# Altium PCB MSP430F55 Microcontroller.PcbDoc (part 1 of 2) (continued)
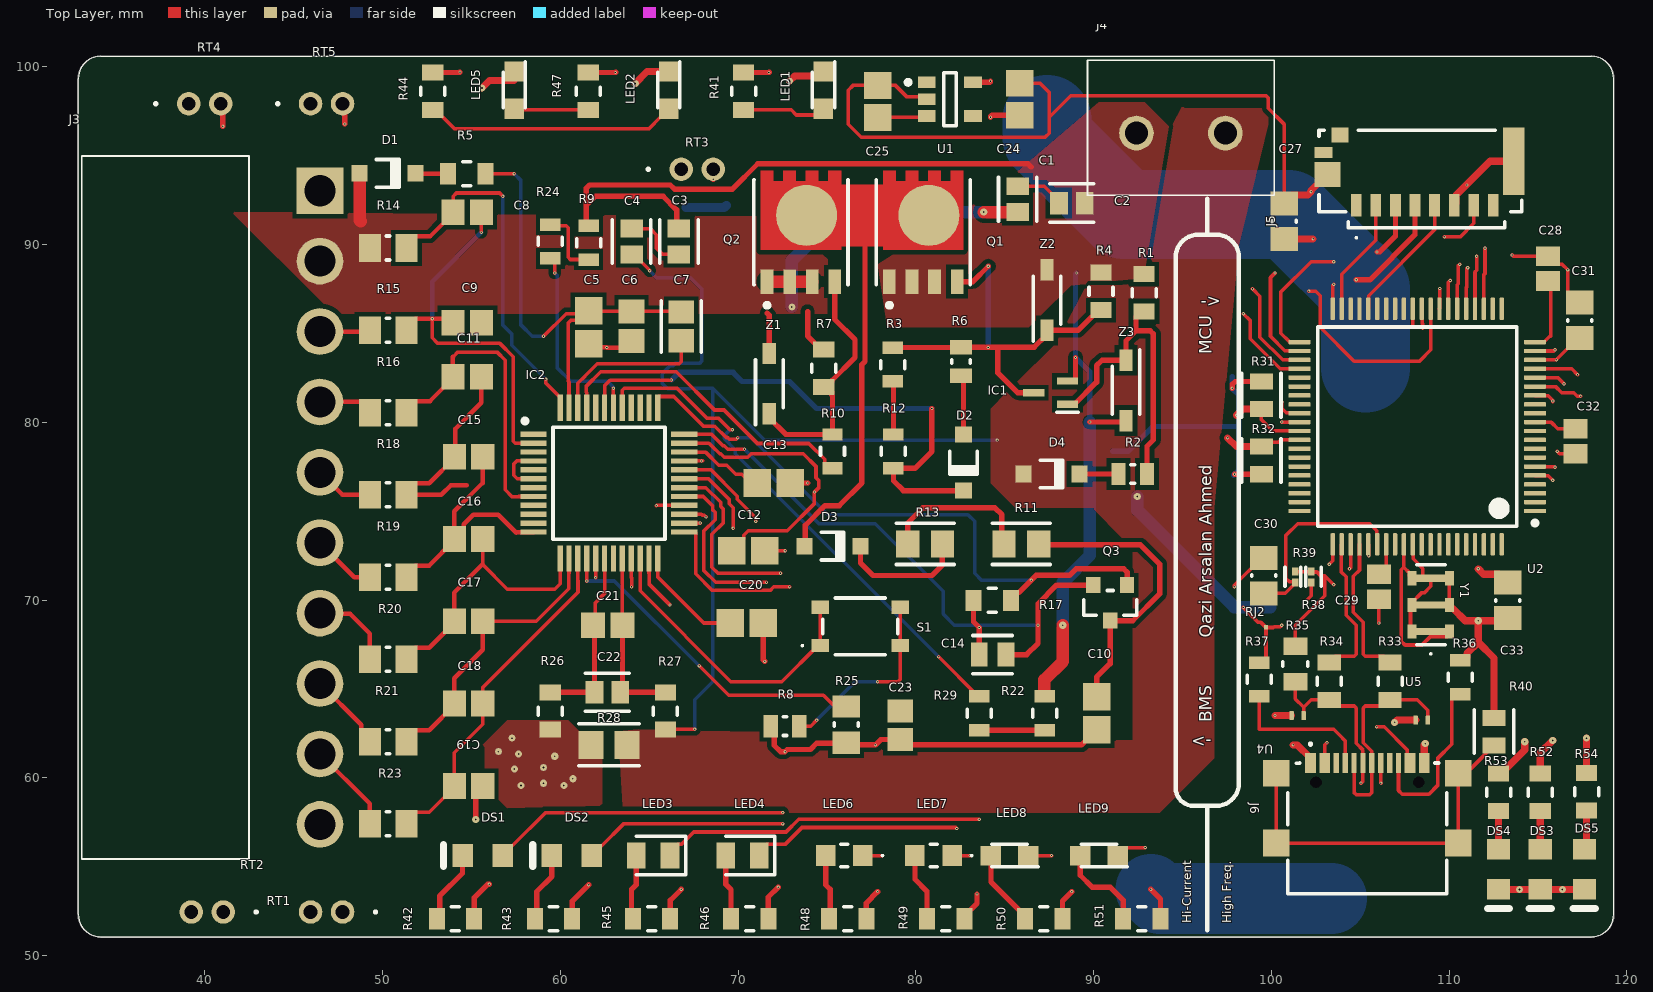
[diagram p0: Top Layer view]
## Components (designator, comment, footprint, x,y, rotation, side; value= is the part's Value field where it differs from the comment) (continued)
R47 "RT0805BRD07330RL" FP-RT0805-MFG 61.57,98.625 r270 top value=330Ω
R48 "RT0805BRD07330RL" FP-RT0805-MFG 76.164,52.07 r180 top value=330Ω
R49 "RT0805BRD07330RL" FP-RT0805-MFG 81.679,52.07 r180 top value=330Ω
R50 "RT0805BRD07330RL" FP-RT0805-MFG 87.195,52.07 r180 top value=330Ω
R51 "RT0805BRD07330RL" FP-RT0805-MFG 92.71,52.07 r180 top value=330Ω
R52 "RT0805BRD07330RL" FP-RT0805-MFG 115.126,59.182 r90 top value=330Ω
R53 "RT0805BRD07330RL" FP-RT0805-MFG 112.776,59.182 r90 top value=330Ω
R54 "RT0805BRD07330RL" FP-RT0805-MFG 117.729,59.216 r90 top value=330Ω
RJ2 "Net Tie 0.6x1.4mm" SHORT10_8MIL-FP 99.695,68.478 r90 top net-tie
RT1 "103JT-050" 103JT050 47.752,52.451 r180 top
RT2 "103JT-050" 103JT050 41.043,52.451 r180 top
RT3 "103JT-050" 103JT050 66.802,94.234 r0 top
RT4 "103JT-050" 103JT050 39.094,97.917 r0 top
RT5 "103JT-050" 103JT050 45.952,97.917 r0 top
S1 "TL3365AF180QG." TL3365AF180QG 76.871,68.512 r0 top
U1 "MIC5504-3.3YM5-TR" FP-SOT23-5LD-PL-1-MFG 81.915,98.171 r0 top
U2 "MSP430F5529IPN" PN0080A_L 108.204,79.756 r180 top
U4 "TPD1E10B06DPYT" DPY0002A_L 101.473,63.5 r180 top
U5 "TPD1E10B06DPYT" DPY0002A_L 108.458,63.246 r180 top
Y1 "CSTCR4M00G55B-R0" CSTCR4M00G55B95R0 108.966,69.723 r270 top
Z1 "MMSZ5246B-7-F" SOD3716X145N 71.755,82.169 r90 top
Z2 "MMSZ5246B-7-F" SOD3716X145N 87.376,86.868 r90 top
Z3 "MMSZ5246B-7-F" SOD3716X145N 91.821,81.788 r270 top

## Footprints (in the part's own frame and the unit in brackets; to place one, negate y for a bottom-side part, rotate by r counter-clockwise, add the part's x,y. Pads: shape width x height; smd on the part's side, far side on the other; paste and mask are expansions set on the pad)
103JT050 [mm]
  round 1.32 hole 0.77: 1(0,0) 2(1.8,0)
  silkscreen extent -1.9,-0.05 -1.8,0.05, body extent -0.85,-0.25 2.75,0.25, height 50.14
5990130007F [mm]
  rect 1.1x1.2 smd: 1(-1.05,0) 2(1.05,0)
  silkscreen extent -2.2,-0.63 0.2,0.63, body extent -1,-0.63 1,0.63, height 0.7
10067099200LF [mm]
  rect 0.6x1.25 smd: 1(3.6,1.93) 2(2.5,1.93) 3(1.4,1.93) 4(0.3,1.93) 5(-0.8,1.93) 6(-1.9,1.93) 7(-3,1.93) 8(-4.1,1.93)
  rect 0.95x0.85 smd: DP1(4.525,-2.02)
  rect 1x0.6 smd: DP2(5.45,-1.045)
  rect 1.45x1.4 smd: MP1(5.225,0.205)
  rect 1.2x3.79 smd: MP2(-5.25,-0.55)
  silkscreen extent -5.7,-2.3 5.7,3.8, body extent -5.75,-2.4 5.65,3.1, height 2.65
B10PSVHLFSN [mm]
  rect 2.625x2.625 hole 1.75: 1(0,0)
  round 2.625 hole 1.75: 2(3.96,0) 3(7.92,0) 4(11.88,0) 5(15.84,0) 6(19.8,0) 7(23.76,0) 8(27.72,0) 9(31.68,0) 10(35.64,0)
  silkscreen extent -1.95,-13.4 37.59,-4, body extent -1.95,-13.4 37.59,0.77, height 8.6
CAPC0805(2012)100_M [mm] "Chip Capacitor, Body 2.0x1.2mm, Height 1.0mm, IPC Low Density"
  rect 1.35x1.55 smd: 1(-1,0) 2(1,0)
  silkscreen extent -0.05,-0.67 0.05,0.67, body extent -1.1,-0.72 1.1,0.72, height 1
CAPC2013X94X50NL20T25 [mm] "Chip Capacitor, 2-Leads, Body 2.01x1.25mm, IPC Medium Density"
  rect 1.35x1.45 smd: 1(-0.825,0) 2(0.825,0)
  body extent -1.1,-0.72 1.11,0.72, height 0.94
CAPC2013X140X50LL20T25 [mm] "Chip Capacitor, 2-Leads, Body 2.00x1.25mm, IPC High Density"
  rect 1.1x1.35 smd: 1(-0.7,0) 2(0.7,0)
  body extent -1.1,-0.72 1.1,0.72, height 1.4
CAPC2013X140X50ML20T25 [mm] "Chip Capacitor, 2-Leads, Body 2.00x1.25mm, IPC Low Density"
  rect 1.5x1.55 smd: 1(-0.9,0) 2(0.9,0)
  body extent -1.1,-0.72 1.1,0.72, height 1.4
CAPC2013X140X50NL20T25 [mm] "Chip Capacitor, 2-Leads, Body 2.00x1.25mm, IPC Medium Density"
  rect 1.3x1.45 smd: 1(-0.8,0) 2(0.8,0)
  body extent -1.1,-0.72 1.1,0.72, height 1.4
CAPC2013X152X50ML20T25 [mm] "Chip Capacitor, 2-Leads, Body 2.01x1.25mm, IPC Low Density"
  rect 1.55x1.55 smd: 1(-0.925,0) 2(0.925,0)
  body extent -1.1,-0.72 1.11,0.72, height 1.52
CSTCR4M00G55B95R0 [mm]
  rect 0.4x1.6 smd: 1(1.5,0) 2(0,0) 3(-1.5,0)
  rect 0.8x0.5 smd: 4(1.5,-1.05) 5(0,-1.05) 6(-1.5,-1.05) 7(1.5,1.05) 8(0,1.05) 9(-1.5,1.05)
  silkscreen extent -2.25,-0.8 2.8,0.8, body extent -2.25,-1 2.25,1, height 1.2
DIAL-0805-2_V [mm] "LED, 2-Leads, Body 2x1.25mm"
  rect 1.15x1.3 smd: 1(-1.125,0) 2(1.125,0)
  silkscreen extent -2.2,-0.63 -2.2,0.63, body extent -1.03,-0.63 1.03,0.64, height 0.71
DIOD-SOD123-2_V [mm] "SOD123, 2-Leads, Body 2.7x1.55mm, Height 1.45mm"
  rect 0.9x0.95 smd: 1(-1.575,0) 2(1.575,0)
  silkscreen extent -0.64,-0.82 0.64,0.77, body extent -1.35,-0.77 1.35,0.77, height 1.45
DPY0002A_L [mm] "DFN, 2-Leads, Body 1.0x0.6x0.4mm, IPC High Density"
  rrect40% 0.25x0.52 smd: 1(-0.34,0) 2(0.34,0)
  body extent -0.5,-0.3 0.5,0.3, height 0.4
FP-0805-L_2_01_0_2-W_1_25-IPC_B [mm]
  rect 1.305x1.456 smd paste+0 mask+0: 1(-0.806,0) 2(0.806,0)
  silkscreen extent -1.46,-1.13 1.46,1.13, body extent -1.71,-0.98 1.71,0.98, height 0.25
FP-0805B-IPC_C [mm]
  rect 1.006x1.262 smd paste+0 mask+0: 1(-0.726,0) 2(0.726,0)
  silkscreen extent -1.23,-1.07 1.23,1.07, body extent -1.33,-0.77 1.33,0.77, height 0.25
FP-AC0805-MFG [mm]
  rect 0.9x1.2 smd paste+0 mask+0: 1(-1.05,0) 2(1.05,0)
  silkscreen extent -0.23,-0.67 0.23,0.67, body extent -1.6,-0.77 1.6,0.77, height 0.25
FP-AF0201-IPC_B [mm]
  rect 0.454x0.363 smd paste+0 mask+0: 1(-0.304,0) 2(0.304,0)
  silkscreen extent -0.53,-0.58 0.53,0.58, body extent -0.68,-0.33 0.68,0.33, height 0.25
FP-C0805C-DN-MFG [mm]
  rect 0.95x1.35 smd paste+0 mask+0: 1(-0.75,0) 2(0.75,0)
  silkscreen extent -1.1,-1.07 1.1,1.07, body extent -1.4,-0.85 1.4,0.85, height 0.25
FP-CRCW0805-HPe3-IPC_A [mm]
  rect 1.306x1.508 smd paste+0 mask+0: 1(-0.976,0) 2(0.976,0)
  silkscreen extent -1.63,-1.15 1.63,1.15, body extent -2.13,-1.25 2.13,1.25, height 0.25
FP-CRGP0805-IPC_C [mm]
  rect 0.906x1.31 smd paste+0 mask+0: 1(-0.776,0) 2(0.776,0)
  silkscreen extent -1.23,-1.1 1.23,1.1, body extent -1.33,-0.8 1.33,0.8, height 0.25
FP-CSRF0805-IPC_A [mm]
  rect 1.405x1.558 smd paste+0 mask+0: 1(-1.001,0) 2(1.001,0)
  silkscreen extent -1.7,-1.18 1.7,1.18, body extent -2.2,-1.28 2.2,1.28, height 0.25
FP-DNK0008A-MFG [mm]
  rect 1.372x0.71 smd paste-1000 mask+0: 1(-2.77,1.905) 2(-2.77,0.635) 3(-2.77,-0.635) 4(-2.77,-1.905)
  round 3.434 smd paste-1000 mask+0: 5-6-7-8(0.958,-0.317)
  Top Layer region: -0.984,-2.26 3.456,-2.26 3.456,-1.55 2.866,-1.55 2.866,-0.99 3.456,-0.99 3.456,-0.28 2.866,-0.28 2.866,0.28 3.456,0.28 3.456,0.99 2.866,0.99 2.866,1.55 3.456,1.55 3.456,2.26 -0.984,2.26
  silkscreen extent -4.22,-2.65 2.95,2.65, body extent -3.56,-2.65 3.56,2.65, height 0.25
FP-KTR10-MFG [mm]
  rect 0.7x1.15 smd paste+0 mask+0: 1(-0.95,0) 2(0.95,0)
  silkscreen extent -0.23,-0.67 0.23,0.67, body extent -1.4,-0.77 1.4,0.77, height 0.25
FP-RMCF0805-MFG [mm]
  rect 0.9x1.3 smd paste+0 mask+0: 1(-1.05,0) 2(1.05,0)
  silkscreen extent -0.23,-0.67 0.23,0.67, body extent -1.6,-0.77 1.6,0.77, height 0.25
FP-RNCF0805-MFG [mm]
  rect 1x1.35 smd paste+0 mask+0: 1(-1,0) 2(1,0)
  silkscreen extent -0.13,-0.7 0.13,0.7, body extent -1.6,-0.8 1.6,0.8, height 0.25
FP-RT0805-MFG [mm]
  rect 0.9x1.2 smd paste+0 mask+0: 1(-1.05,0) 2(1.05,0)
  silkscreen extent -0.23,-0.67 0.23,0.67, body extent -1.6,-0.77 1.6,0.77, height 0.25
FP-SOT23-5LD-PL-1-MFG [mm]
  rect 1x0.66 smd paste+0 mask+0: 1(-1.3,0.95) 2(-1.3,0) 3(-1.3,-0.95) 4(1.3,-0.95) 5(1.3,0.95)
  silkscreen extent -2.47,-1.5 0.35,1.5, body extent -1.9,-1.6 1.9,1.6, height 0.25
FP-SOT23-MFG [mm]
  rect 0.9x0.8 smd paste+0 mask+0: 1(-1,0.95) 2(-1,-0.95) 3(1,0)
  silkscreen extent -0.7,-1.5 0.7,1.5, body extent -1.55,-1.6 1.55,1.6, height 0.25
GSB1C41110SSHR [mm]
  rect 0.6x1.15 smd: A1(-3.2,3.39) A4(-2.4,3.39) A9(2.4,3.39) A12(3.2,3.39)
  rect 0.3x1.15 smd: A5(-1.25,3.39) A6(-0.25,3.39) A7(0.25,3.39) A8(1.25,3.39) B5(1.75,3.39) B6(0.75,3.39) B7(-0.75,3.39) B8(-1.75,3.39)
  round 0.325 hole 0.65 unplated: MH1(-2.89,2.315) MH2(2.89,2.315)
  rect 1.5x1.5 smd: MP1(-5.12,2.815) MP2(5.12,2.815) MP3(-5.12,-1.115) MP4(5.12,-1.115)
  silkscreen extent -4.47,-3.97 4.47,4.5, body extent -5.67,-4.09 5.67,3.51, height 3.12
LEDC2012X70N [mm]
  rect 1.05x1.45 smd: 1(-0.95,0) 2(0.95,0)
  silkscreen extent -1.83,-1.07 0.95,1.07, body extent -1.01,-0.63 1.01,0.63, height 0.83
LEDM2012X90N [mm]
  rect 1.15x1.1 smd: 1(-1.05,0) 2(1.05,0)
  silkscreen extent -1.6,-0.63 1,0.63, body extent -1,-0.63 1,0.63, height 0.7
PN0080A_L [mm] "QFP, 80-Leads, Body 12x12mm, Pitch 0.5mm, IPC High Density"
  rrect40% 1.25x0.25 smd: 1(-6.625,4.75) 2(-6.625,4.25) 3(-6.625,3.75) 4(-6.625,3.25) 5(-6.625,2.75) 6(-6.625,2.25) 7(-6.625,1.75) 8(-6.625,1.25) 9(-6.625,0.75) 10(-6.625,0.25) 11(-6.625,-0.25) 12(-6.625,-0.75) 13(-6.625,-1.25) 14(-6.625,-1.75) 15(-6.625,-2.25) 16(-6.625,-2.75) 17(-6.625,-3.25) 18(-6.625,-3.75) 19(-6.625,-4.25) 20(-6.625,-4.75) 41(6.625,-4.75) 42(6.625,-4.25) 43(6.625,-3.75) 44(6.625,-3.25) 45(6.625,-2.75) 46(6.625,-2.25) 47(6.625,-1.75) 48(6.625,-1.25) 49(6.625,-0.75) 50(6.625,-0.25) 51(6.625,0.25) 52(6.625,0.75) 53(6.625,1.25) 54(6.625,1.75) 55(6.625,2.25) 56(6.625,2.75) 57(6.625,3.25) 58(6.625,3.75) 59(6.625,4.25) 60(6.625,4.75)
  rrect40% 0.25x1.25 smd: 21(-4.75,-6.625) 22(-4.25,-6.625) 23(-3.75,-6.625) 24(-3.25,-6.625) 25(-2.75,-6.625) 26(-2.25,-6.625) 27(-1.75,-6.625) 28(-1.25,-6.625) 29(-0.75,-6.625) 30(-0.25,-6.625) 31(0.25,-6.625) 32(0.75,-6.625) 33(1.25,-6.625) 34(1.75,-6.625) 35(2.25,-6.625) 36(2.75,-6.625) 37(3.25,-6.625) 38(3.75,-6.625) 39(4.25,-6.625) 40(4.75,-6.625) 61(4.75,6.625) 62(4.25,6.625) 63(3.75,6.625) 64(3.25,6.625) 65(2.75,6.625) 66(2.25,6.625) 67(1.75,6.625) 68(1.25,6.625) 69(0.75,6.625) 70(0.25,6.625) 71(-0.25,6.625) 72(-0.75,6.625) 73(-1.25,6.625) 74(-1.75,6.625) 75(-2.25,6.625) 76(-2.75,6.625) 77(-3.25,6.625) 78(-3.75,6.625) 79(-4.25,6.625) 80(-4.75,6.625)
  silkscreen extent -6.75,-5.6 5.6,5.6, body extent -7,-7 7,7, height 1.56
QFP50P900X900X120-48N [mm]
  rect 1.475x0.3 smd: 1(-4.238,2.75) 2(-4.238,2.25) 3(-4.238,1.75) 4(-4.238,1.25) 5(-4.238,0.75) 6(-4.238,0.25) 7(-4.238,-0.25) 8(-4.238,-0.75) 9(-4.238,-1.25) 10(-4.238,-1.75) 11(-4.238,-2.25) 12(-4.238,-2.75) 25(4.238,-2.75) 26(4.238,-2.25) 27(4.238,-1.75) 28(4.238,-1.25) 29(4.238,-0.75) 30(4.238,-0.25) 31(4.238,0.25) 32(4.238,0.75) 33(4.238,1.25) 34(4.238,1.75) 35(4.238,2.25) 36(4.238,2.75)
  rect 0.3x1.475 smd: 13(-2.75,-4.238) 14(-2.25,-4.238) 15(-1.75,-4.238) 16(-1.25,-4.238) 17(-0.75,-4.238) 18(-0.25,-4.238) 19(0.25,-4.238) 20(0.75,-4.238) 21(1.25,-4.238) 22(1.75,-4.238) 23(2.25,-4.238) 24(2.75,-4.238) 37(2.75,4.238) 38(2.25,4.238) 39(1.75,4.238) 40(1.25,4.238) 41(0.75,4.238) 42(0.25,4.238) 43(-0.25,4.238) 44(-0.75,4.238) 45(-1.25,4.238) 46(-1.75,4.238) 47(-2.25,4.238) 48(-2.75,4.238)
  silkscreen extent -4.85,-3.15 3.15,3.62, body extent -4.5,-4.5 4.5,4.5, height 1.07
RESC2013X60X30ML20T20 [mm] "Chip Resistor, 2-Leads, Body 2.00x1.25mm, IPC Low Density"
  rect 1.25x1.55 smd: 1(-1.025,0) 2(1.025,0)
  silkscreen extent -0.1,-0.67 0.1,0.67, body extent -1.1,-0.72 1.1,0.72, height 0.6
RESC2013X60X35LL10T20 [mm] "Chip Resistor, 2-Leads, Body 2.00x1.25mm, IPC High Density"
  rect 0.8x1.25 smd: 1(-0.8,0) 2(0.8,0)
  silkscreen extent -0.1,-0.53 0.1,0.53, body extent -1.05,-0.67 1.05,0.67, height 0.6
SHORT10_8MIL-FP [mil]
  rect 8x8 smd paste-39.37: 1(-1,0) 2(1,0)
SOD3716X145N [mm]
  rect 1.2x0.75 smd: 1(-1.7,0) 2(1.7,0)
  silkscreen extent -2.3,-0.77 1.35,0.77, body extent -1.85,-0.77 1.85,0.77, height 1.45
SOT65P210X110-3N [mm]
  rect 1.2x0.4 smd: 1(-0.95,0.65) 2(-0.95,-0.65) 3(0.95,0)
  silkscreen extent -1.55,1.1 -0.35,1.1, body extent -1.05,-1 1.05,1, height 1.1
TB00250002BE [mm]
  round 1.95 hole 1.3: 1(0,0) 2(5,0)
  silkscreen extent -2.75,-3.5 7.75,4.1, body extent 0,0.15 10.5,7.75, height 10
TL3365AF180QG [mm]
  rect 1x0.75 smd: 1(-2.25,-1.075) 2(2.25,-1.075) 3(-2.25,1.075) 4(2.25,1.075)
  silkscreen extent -3.3,-1.6 2.1,1.6, body extent -2.68,-1.6 2.68,1.6, height 2.6

## Part data
C1 C2 C3 C4 C22: library part CMP-45632-000003-1, "CAP CER 0.1UF 50V X7R 0805", Capacitance=100nF, Case Code (Imperial)=0805, Case Code (Metric)=2012, Dielectric=X7R, Max Operating Temperature=125°C, Min Operating Temperature=-55°C, Tolerance=10%, Voltage=50V, Case/Package=0805, Depth=1.25mm, Lead Free="Lead Free", Length=2mm, Packaging="Tape and Reel", Radiation Hardening=No, RoHS Compliant=Yes, Voltage Rating=50V, Voltage Rating (DC)=50V
C5 C10 C12 C13: library part CMP-1036-04764-2
C6 C21: library part CMP-2007-04356-1
C7: library part CMP-04427-003155-1, "Automotive Ceramic Capacitor, 0805, 470nF, 5%, X7R, 15%, 50V", Capacitance=470nF, Case/Package=0805, Dielectric=X7R, Max Operating Temperature=125°C, Min Operating Temperature=-55°C, Package Quantity=2000, Tolerance=5%, Voltage Rating (DC)=50V, Construction=Flat, Depth=1.25mm, Length=2.01mm, Mount="Surface Mount", Packaging="Tape and Reel", Radiation Hardening=No, RoHS Compliant=Yes
C8 C9 C11 C15 C16 C17 C18 C19 C23: library part CMP-2007-04632-1
C14: library part CMP-2007-03639-2, "CAP CER 0.022UF 50V X8R 0805", Capacitance="22,000 pF", Package=C0805C-DN, Temperature="-55°C to +125°C", Temperature Characteristic=X8R, Temperature Coefficient=30ppm/°C, Temperature Range High=+125°C, Temperature Range Low=-55°C, Tolerance=0.05, Voltage Rating="50 V", Automotive=No, Category=Cap, ComponentLink2Description=Datasheet, ComponentLink2URL=https://content.kemet.com/datasheets/KEM_C1003_C0G_SMD.pdf, Device Class L1="Passive Components", Device Class L2=Capacitors, Device Class L3="Ceramic Capacitors", Digikey Description="CAP CER 0.022UF 50V X8R 0805", Height=0.88mm, Ipc Land Pattern Name=CAPC200125X78, Lead Free=Yes, Material=Ceramic, Mouser Description="Multilayer Ceramic Capacitors MLCC - SMD/SMT 50V 22000pF +/-5% X8R", Octopart=https://octopart.com/c0805c223j5hactu-kemet-18638969, RoHS=TRUE
C20: library part CMP-2007-04522-1
C24 C25: library part CMP-1036-04744-2, Manufacturer="AVX Interconnect / Elco", Part Number=0805YC105JAT2A
C27 C30 C31 C33: library part CMP-1036-04393-1, "CAP 100nF 10V ±5% 0805 (2012 Metric) Thickness 1mm SMD", Case-EIA=0805, Case-Metric=2012, Rated Voltage="10 V", Tolerance=Â±5%, Max Thickness="1 mm", Technology=SMT
C28 C29 C32: library part CMP-2007-04675-1
D1 D2 D3: library part CMP-2000-04932-2, "Fast Switching Diode, 100 V, 0.15 A, -65 to 150 degC, 2-Pin?SOD123, RoHS, Tape and Reel", If - Forward Current=0.15A, Ir - Reverse Current=1uA, Max Surge Current=2A, Maximum Operating Temperature=+150C, Minimum Operating Temperature=-65C, Operating Temperature Range=-65Cto+150C, Package / Case=SOD-123, Package Reference=SOD123-2, Peak Reverse Voltage=100V, Vf - Forward Voltage=1.25V, Brand=DiodesIncorporated, Configuration=Single, Datasheet URL=http://www.farnell.com/datasheets/1915529.pdf, Datasheet Version="Rev. 24-2, 10/2013", Factory Pack Quantity=3000, Height=1.25mm, Length=2.85mm, Manufacturer URL=http://www.diodes.com/, Mounting Style=SMD/SMT, Package URL=http://www.diodes.com/datasheets/ds18004.pdf, Packaging=Reel, Product=SwitchingDiodes, Product Category=Diodes-GeneralPurpose,Power,Switching, Recovery Time=4ns, RoHS=True, Series=1N4148, Type=SwitchingDiode, Unit Weight=0.000353oz, Width=1.7mm
D4: library part CMP-2000-04932-2, "Fast Switching Diode, 100 V, 0.15 A, -65 to 150 degC, 2-Pin?SOD123, RoHS, Tape and Reel", If - Forward Current=0.15A, Ir - Reverse Current=1uA, Manufacturer=DiodesIncorporated, Max Surge Current=2A, Maximum Operating Temperature=+150C, Minimum Operating Temperature=-65C, Operating Temperature Range=-65Cto+150C, Package / Case=SOD-123, Package Reference=SOD123-2, Peak Reverse Voltage=100V, Vf - Forward Voltage=1.25V, Brand=DiodesIncorporated, Configuration=Single, Datasheet URL=http://www.farnell.com/datasheets/1915529.pdf, Datasheet Version="Rev. 24-2, 10/2013", Factory Pack Quantity=3000, Height=1.25mm, Length=2.85mm, Manufacturer URL=http://www.diodes.com/, Mounting Style=SMD/SMT, Package URL=http://www.diodes.com/datasheets/ds18004.pdf, Packaging=Reel, Product=SwitchingDiodes, Product Category=Diodes-GeneralPurpose,Power,Switching, Recovery Time=4ns, RoHS=True, Series=1N4148, Type=SwitchingDiode, Unit Weight=0.000353oz, Width=1.7mm
DS1 DS2 DS3 DS4 DS5: library part CMP-2000-05655-1, "Single Color, 2 V, -30 to 85 degC, 2-Pin SMD (0805), RoHS, Tape and Reel", Emitting Color=YellowGreen, Forward Current=25mA, Forward Voltage=2.4V, Operating Temp Range=-30Cto85C, Operating Temperature Classification=Commercial, Package Description="2-Pin Surface Mount Device, Body 2 x 1.25 mm", Package Reference=0805, Package Type=SMD, Power Dissipation=60W, Reverse Voltage=5V, Test Current (It)=20mA, Chip Material=GaP, Datasheet URL=https://datasheet.ciiva.com/22748/1484480-22748121.pdf, Datasheet Version=10/2008, DELETED=Compliant, Dominant Wave Length=570nm, High Brightness=No, Lens Dimensions=1.4x1.25x0.4mm, Lum Intensity=20mcd, Luminous Intensity=20mcd, Main Category=ChipLED, Manufacturer URL=http://www.dialight.com/, Mounting=SurfaceMount, Mounting Technology=SurfaceMount, Number of  Elements=1, Packaging=TapeandReel, Pin Count=2, Product Depth (mm)=1.25mm, Product Height (mm)=0.7mm, Product Length (mm)=2mm, Rad Hardened=No, Shape Type=Rectangular, Type=Uni-Color, Viewing Angle=140deg
IC1: "Integrated Circuit", Manufacturer_Name=onsemi, Mouser Part Number=512-2N7002KW, Arrow Part Number=2N7002KW, Arrow Price/Stock=https://www.arrow.com/en/products/2n7002kw/on-semiconductor.html?utm_currency=USD&region=nac, Datasheet Link=https://www.onsemi.com/pub/Collateral/2N7002KW-D.PDF, Height=1.1mm, Manufacturer_Part_Number=2N7002KW, Mouser Price/Stock=https://www.mouser.co.uk/ProductDetail/onsemi-Fairchild/2N7002KW?qs=1%252BQrTMB6OPVOqkaNo2cdQQ%3D%3D
IC2: "Integrated Circuit", Mouser Part Number=595-BQ7694202PFBR, Arrow Part Number=BQ7694202PFBR, Arrow Price/Stock=https://www.arrow.com/en/products/bq7694202pfbr/texas-instruments?utm_currency=USD&region=nac, Datasheet Link=https://www.ti.com/lit/ds/symlink/bq76942.pdf?ts=1642500793238&ref_url=https%253A%252F%252Fwww.ti.com%252Fproduct%252FBQ76942, Height=1.2mm, Manufacturer_Part_Number=BQ7694202PFBR, Mouser Price/Stock=https://www.mouser.co.uk/ProductDetail/Texas-Instruments/BQ7694202PFBR?qs=iLbezkQI%252BshAVl2BMDVCMQ%3D%3D
J3: "Connector", Arrow Part Number="B10PS-VH (LF)(SN)", Arrow Price/Stock=https://www.arrow.com/en/products/b10ps-vh-lf-sn/jst-manufacturing?region=nac, Datasheet Link=https://www.marutsu.co.jp/contents/shop/marutsu/datasheet/VH.pdf, Height=8.5mm, Manufacturer_Part_Number="B10PS-VH (LF)(SN)"
J4: "Connector", Manufacturer_Name="Same Sky", Mouser Part Number=490-TB002-500-02BE, Arrow Part Number=TB002-500-02BE, Arrow Price/Stock=https://www.arrow.com/en/products/tb002-500-02be/cui-devices.html?utm_currency=USD&region=nac, Datasheet Link=https://www.sameskydevices.com/product/resource/tb002-500.pdf, Height=10.4mm, Manufacturer_Part_Number=TB002-500-02BE, Mouser Price/Stock=https://www.mouser.co.uk/ProductDetail/Same-Sky/TB002-500-02BE?qs=vLWxofP3U2x9716kcgva%2Fw%3D%3D
J5: "Connector", Mouser Part Number=649-10067099-200LF, Arrow Part Number=10067099-200LF, Arrow Price/Stock=https://www.arrow.com/en/products/10067099-200lf/amphenol-fci?utm_currency=USD&region=nac, Datasheet Link=https://cdn.amphenol-cs.com/media/wysiwyg/files/drawing/10067099.pdf, Height=2.8mm, Manufacturer_Part_Number=10067099-200LF, Mouser Price/Stock=https://www.mouser.co.uk/ProductDetail/Amphenol-FCI/10067099-200LF?qs=i4V1y6YhAeneA%2F%2FxXHdZ7w%3D%3D
J6: "Connector", Manufacturer_Name="Amphenol Communications Solutions", Datasheet Link=https://cdn.amphenol-cs.com/media/wysiwyg/files/drawing/gsb1c41x10sshr-ax1.pdf, Height=3.41mm, Manufacturer_Part_Number=GSB1C41110SSHR
LED1 LED2 LED5 LED8 LED9: "LED", Mouser Part Number=645-599-0110-007F, Arrow Part Number=599-0110-007F, Arrow Price/Stock=https://www.arrow.com/en/products/5990110007f/dialight?region=nac, Datasheet Link=https://www.mouser.com/datasheet/2/109/Dialight_CBI_data_599-0805_Apr2018-1370606.pdf, Height=0.9mm, Manufacturer_Part_Number=599-0110-007F, Mouser Price/Stock=https://www.mouser.co.uk/ProductDetail/Dialight/599-0110-007F?qs=gTYE2QTfZfS0HtheKY0LlQ%3D%3D
LED3 LED4: "LED", Mouser Part Number=645-599-0140-007F, Datasheet Link=https://mouser.componentsearchengine.com/Datasheets/1/599-0140-007F.pdf, Height=0.7mm, Manufacturer_Part_Number=599-0140-007F, Mouser Price/Stock=https://www.mouser.co.uk/ProductDetail/Dialight/599-0140-007F?qs=gTYE2QTfZfQrZszkvWmdFA%3D%3D
LED6 LED7: "LED", Mouser Part Number=645-599-0130-007F, Datasheet Link=https://www.mouser.ph/ProductDetail/Dialight/599-0130-007F?qs=gTYE2QTfZfQ2TDvykpqMHg%3D%3D&srsltid=AfmBOopk_RwZ8_3NQIYxrCGD4Ay-vQtdR2nUkX0PlPQDcgQe6IiQvy-r, Height=0.9mm, Manufacturer_Part_Number=599-0130-007F, Mouser Price/Stock=https://www.mouser.co.uk/ProductDetail/Dialight/599-0130-007F?qs=gTYE2QTfZfQ2TDvykpqMHg%3D%3D
Q1 Q2: library part CMP-04962-000007-1, "MOSFET N-CH 100V 100A 8SON", Continuous Drain Current=100A, Drain To Source Breakdown Voltage=100V, Drain To Source Resistance=4.6mΩ, Gate To Source Voltage=20V, Input Capacitace At Vds="3700pF @ 50V", Max Forward Diode Voltage=1V, Max Junction Temp=+150°C, Package=DNK0008A, Power Dissipation=3.1W, Pulse Drain Current=400A, Temperature="-55°C to +150°C", Temperature Range Low=-55°C, Typ Forward Diode Voltage=0.8V, Automotive=No, Category=Trans, ComponentLink2Description=Datasheet, ComponentLink2URL=http://www.ti.com/lit/ds/symlink/csd19532q5b.pdf, Depletion Mode=False, Device Class L1="Discrete Semiconductors", Device Class L2=Transistors, Device Class L3=MOSFETs, Digikey Description="MOSFET N-CH 100V 100A 8SON", Drain To Source Voltage=100V, Gate Charge At Vgs="48nC @ 10V", Height=1.05mm, Lead Free=Yes, Mouser Description="MOSFET 100V 4.0 mOhm N-Ch NexFET Power MOSFET", Number Of Channels=1, Number Of N Channels=1, Octopart=https://octopart.com/csd19532q5b-texas+instruments-32890191, Reverse Recovery Charge=249nC, Reverse Recovery Time=80ns, RoHS=TRUE, Rthja Max=50°C/W, Temperature Range High=+150°C, Threshold Vgs Max=3.2V, Threshold Vgs Min=2.2V, Transconductance=84S, Turn Off Delay Time=22ns, Turn On Delay Time=7ns
Q3: library part CMP-12798-000005-1, "TRANS NPN 150V 1A SOT23-3", Collector Base Voltage=170V, Collector Emitter Breakdown Voltage=150V, Collector Emitter Saturation Voltage=0.3V, Emitter Base Voltage=7V, Max Collector Current=1A, Max Junction Temp=+150°C, Package=SOT23, Power Dissipation=500mW, Temperature="-55°C to +150°C", Temperature Range Low=-55°C, Unity Gain Freq=100MHz, Automotive=Yes, Automotive Grade="Grade 0", Category=Trans, Collector Emitter Voltage=150V, ComponentLink2Description=Datasheet, ComponentLink2URL=https://www.diodes.com/assets/Datasheets/FMMT495.pdf, Device Class L1="Discrete Semiconductors", Device Class L2=Transistors, Device Class L3=BJTs, Digikey Description="TRANS NPN 150V 1A SOT23-3", Footprint Url=https://www.diodes.com/assets/Package-Files/SOT23.pdf, Height=1.1mm, Hfe Max=300, Hfe Min=100, Hfe Testic=250mA, Hfe Testvce=10V, Lead Free=Yes, Mouser Description="Bipolar Transistors - BJT NPN High Voltage", Number Of Elements=1, Number Of Npn=1, Octopart=https://octopart.com/fmmt495ta-diodes+inc.-356348, RoHS=TRUE, Rthja Max=250°C/W, Standoff Height=0.013mm, Temperature Range High=+150°C
R1 R3 R4 R17: library part CMP-03412-037628-1, "RES SMD 10M OHM 1% 1/8W 0805", Package=AC0805, Power Rating=1/8W, Resistance=10MΩ, Temperature="-55°C to +155°C", Temperature Range High=+155°C, Temperature Range Low=-55°C, Tolerance=0.01, Voltage Rating=150V, Automotive=Yes, Automotive Grade="Grade 0", Category=Res, ComponentLink2Description=Datasheet, ComponentLink2URL=http://www.yageo.com/documents/recent/PYu-AC_51_RoHS_L_6.pdf, Composition="Thick Film", Device Class L1="Passive Components", Device Class L2=Resistors, Device Class L3="Chip SMD Resistors", Digikey Description="RES SMD 10M OHM 1% 1/8W 0805", Footprint Url=http://www.yageo.com/exep/pages/download/literatures/PYu-R_Mount_10.pdf, Height=0.6mm, Ipc Land Pattern Name=RESC200125X50, Lead Free=Yes, Octopart=https://octopart.com/ac0805fr-0710ml-yageo-71367525, RoHS=TRUE, Series=AC
R2 R8: library part CMP-2001-04512-1
R5 R26 R27: library part CMP-03412-037503-1, "Res Thick Film 0805 100 Ohm 1% 1/8W ±100ppm/°C Molded SMD Paper T/R", Package=AC0805, Power Rating=1/8W, Resistance=100Ω, Temperature="-55°C to +155°C", Temperature Range High=+155°C, Temperature Range Low=-55°C, Tolerance=0.01, Voltage Rating=150V, Automotive=Yes, Automotive Grade="Grade 0", Category=Res, ComponentLink2Description=Datasheet, ComponentLink2URL=http://www.yageo.com/documents/recent/PYu-AC_51_RoHS_L_6.pdf, Composition="Thick Film", Device Class L1="Passive Components", Device Class L2=Resistors, Device Class L3="Chip SMD Resistors", Digikey Description="Res Thick Film 0805 100 Ohm 1% 1/8W ±100ppm/°C Molded SMD Paper T/R", Footprint Url=http://www.yageo.com/exep/pages/download/literatures/PYu-R_Mount_10.pdf, Height=0.6mm, Ipc Land Pattern Name=RESC200125X50, Lead Free=Yes, Mouser Description="Thick Film Resistors 1/8W 100ohm 1% AEC-Q200", Octopart=https://octopart.com/ac0805fr-07100rl-yageo-24517276, RoHS=TRUE, Series=AC
R6: library part CMP-2001-04511-1
R7 R9 R10 R12 R22 R24 R29 R36 R37: library part CMP-08839-031572-1, "Res Thick Film 0805 5.1kΩ 1% 0.125W ±100ppm/°C Automotive Paper T/R", Case Code (Imperial)=0805, Case Code (Metric)=2012, Max Operating Temperature=155°C, Max Power Dissipation=125mW, Min Operating Temperature=-55°C, Package Quantity=5000, Resistance=5.1kR, Resistor Type="Thick Film", Temperature Coefficient=100ppm/°C, Tolerance=1%, Case/Package=0805, Features="Automotive AEC-Q200", Height=0.026inch, Length=0.079inch, Number of Terminations=2, Packaging="Tape and Reel", RoHS Compliant=Yes, Series=KTR, Width=0.049inch
R11 R13: library part CMP-02407-005533-1, "RES Thick Film, 220Ω, 5%, 0.5W, 200ppm/°C, 0805", Case Code (Imperial)=0805, Case Code (Metric)=2012, Max Operating Temperature=155°C, Max Power Dissipation=333mW, Min Operating Temperature=-55°C, Package Quantity=1, Power Rating=500mW, Resistance=220R, Temperature Coefficient=200ppm/°C, Tolerance=5%, Voltage Rating=150V, Case/Package=0805, Composition="Thick Film", Contact Plating=Tin, Features="Automotive AEC-Q200", Height=0.024inch, Lead Free="Lead Free", Length=0.079inch, Number of Terminations=2, Packaging="Tape and Reel", Radiation Hardening=No, Termination=SMD/SMT, Weight=0.000194oz, Width=0.049inch
R14 R15 R16 R18 R19 R20 R21 R23 R25: library part CMP-2001-01797-1
R28: library part CMP-26527-002472-1, "Foil on Ceramic Current Sensing Chip Resistor 10 mΩ ±1% 0.5W 0805 AEC Qualified", Case Code (Imperial)=0805, Case Code (Metric)=2012, Max Operating Temperature=170°C, Max Power Dissipation=500mW, Min Operating Temperature=-55°C, Resistance=10mR, Resistor Type="Metal Foil", Temperature Coefficient=100ppm/°C, Tolerance=1%, Case/Package=0805, Contact Plating=Tin, Features="Moisture Resistant", Height=0.031inch, Lead Free="Lead Free", Length=0.079inch, Mount="Surface Mount", Number of Terminations=2, Packaging="Tape and Reel", Radiation Hardening=No, RoHS Compliant=Yes, Series=CSRF, Width=0.049inch
R31 R32 R40: library part CMP-03211-006861-1, "CRGP 0805 10K 1%", Ambient Temperature Range High=+70°C, Package=CRGP0805, Power Rating=0.33W, Resistance=10KΩ, Temperature="-55°C to +155°C", Temperature Coefficient=±100ppm/°C, Temperature Range High=+155°C, Temperature Range Low=-55°C, Tolerance=0.01, Voltage Rating=150V, Automotive=No, Category=Res, ComponentLink2Description=Datasheet, ComponentLink2URL=https://www.mouser.com/datasheet/2/418/NG_DS_9-1773463-9_A-1358566.pdf, Composition="Thick Film", Device Class L1="Passive Components", Device Class L2=Resistors, Device Class L3="Chip SMD Resistors", Digikey Description="CRGP 0805 10K 1%", Height=0.65mm, Ipc Land Pattern Name=RESC200125X55, Lead Free=Yes, Octopart=https://octopart.com/crgp0805f10k-te+connectivity-91018782, RoHS=TRUE, Series=CRGP
R33 R34: library part CMP-26527-003272-1, "33Ω ±1% 0.125W 0805 Thick Film Chip Resistor AEC-Q200 compliant", Case Code (Imperial)=0805, Case Code (Metric)=2012, Max Operating Temperature=155°C, Max Power Dissipation=125mW, Min Operating Temperature=-55°C, Resistance=33R, Resistor Type="Thick Film", Temperature Coefficient=100ppm/°C, Tolerance=1%, Case/Package=0805, Contact Plating=Tin, Features="Automotive AEC-Q200", Height=0.026inch, Length=0.079inch, Mount="Surface Mount", Number of Terminations=2, Packaging="Tape and Reel", Radiation Hardening=No, RoHS Compliant=Yes, Series=RMCF, Width=0.049inch
R35: library part CMP-26527-000024-1, "RES 2K OHM 0.01% 1/8W 0805", Case Code (Imperial)=0805, Case Code (Metric)=2012, Max Operating Temperature=155°C, Max Power Dissipation=125mW, Min Operating Temperature=-55°C, Resistance=2kR, Temperature Coefficient=5ppm/°C, Tolerance=0.01%, Case/Package=0805, Composition="Thin Film", Features="Moisture Resistant", Height=0.026inch, Length=0.079inch, Mount="Surface Mount", Number of Terminations=2, Packaging="Tape and Reel", Width=0.049inch
R38 R39: library part CMP-03412-038487-1, "Anti-Sulfurated Chip Resistors Automotive Grade 1MΩ 5% 200ppm/°C 0201", Case/Package=0201, Max Operating Temperature=125°C, Max Power Dissipation=50mW, Min Operating Temperature=-55°C, Resistance=1MR, Resistor Type="Thick Film", Temperature Coefficient=200ppm/°C, Tolerance=5%, Features="Moisture Resistant", Height=0.01inch, Length=0.024inch, Number of Terminations=2, Packaging="Tape and Reel", RoHS Compliant=Yes, Series=AF, Width=0.012inch
R41 R42 R43 R44 R45 R46 R47 R48 R49 R50 R51 R52 R53 R54: library part CMP-2001-01631-2, "RES 330 OHM 1/8W .1% SMD 0805", Package=RT0805, Power Rating=0.125W, Resistance=330Ω, Temperature="-55°C to +155°C", Temperature Coefficient="25 ppm/°C", Temperature Range High=+155°C, Temperature Range Low=-55°C, Tolerance=0.0025, Voltage Rating=150V, Automotive=No, Category=Res, ComponentLink2Description=Datasheet, ComponentLink2URL=http://www.yageo.com/documents/recent/PYu-RT_1-to-0.01_RoHS_L_9.pdf, Composition="Thin Film", Device Class L1="Passive Components", Device Class L2=Resistors, Device Class L3="Chip SMD Resistors", Digikey Description="RES 330 OHM 1/8W .1% SMD 0805", Footprint Url=http://www.yageo.com/exep/pages/download/literatures/PYu-R_Mount_10.pdf, Height=0.6mm, Ipc Land Pattern Name=RESC200125X50, Lead Free=Yes, Mouser Description="Thin Film Resistors - SMD 1/8W 330 ohm .1% 25ppm", Octopart=https://octopart.com/rt0805brd07330rl-yageo-1374790, RoHS=TRUE, Series=RT
RJ2: library part CMP-009-00120-2, Max Operating Temperature=155°C, Min Operating Temperature=-55°C, Pins=2
RT1 RT2 RT3 RT4 RT5: "Thermistor", Manufacturer_Name=Semitec, Mouser Part Number=954-103JT-050, Datasheet Link=https://componentsearchengine.com/Datasheets/1/103JT-050.pdf, Height=46mm, Manufacturer_Part_Number=103JT-050, Mouser Price/Stock=https://www.mouser.co.uk/ProductDetail/Semitec/103JT-050?qs=wgO0AD0o1vtVkR4pf7Ll0w%3D%3D
S1: "Switch", Datasheet Link=https://sten-eswitch-13110800-production.s3.amazonaws.com/system/asset/product_line/data_sheet/218/TL3365.pdf, Height=2.5mm, Manufacturer_Part_Number=TL3365AF180QG.
U1: library part CMP-2000-07604-2, "IC REG LINEAR 3.3V 300MA SOT23-5", Case/Package=SOT-23-5, Dropout Voltage=380mV, Max Input Voltage=5.5V, Max Operating Temperature=125°C, Max Output Current=300mA, Min Input Voltage=2.5V, Min Operating Temperature=-40°C, Nominal Output Voltage=3.3V, Operating Supply Current=42uA, Power Supply Rejection Ratio (PSRR)=60dB, Quiescent Current=38uA, Accuracy=3%, Height=1.1mm, Length=2.9mm, Mount="Surface Mount", Number of Outputs=1, Number of Pins=5, Output Current=300mA, Output Type=Fixed, Output Voltage=3.3V, Packaging="Tape and Reel", REACH SVHC="No SVHC", Width=1.6mm
U2: library part CMP-0365-00412-2, "25 MHz Mixed Signal Microcontroller with 128 KB Flash, 8192 B SRAM and 63 GPIOs, -40 to 85 degC, 80-pin QFP (PN), Green (RoHS & no Sb/Br)", Frequency(MHz)=25, Temp Sensor=Yes, ADC="12-bit SAR", ADC Channels=16, Brown Out Reset=Yes, Code_JEDEC=MS-018, Comparators=Yes, ComponentLink1Description="Manufacturer URL", ComponentLink1URL=http://www.ti.com/, ComponentLink2Description=Datasheet, ComponentLink2URL=http://www.ti.com/general/docs/lit/getliterature.tsp?genericPartNumber=MSP430F5529&fileType=pdf, ComponentLink3Description="Package Specification", ComponentLink3URL=http://www.ti.com/lit/ml/mtqf010a/mtqf010a.pdf, DatasheetVersion=SLAS590I, DMA=3, Eco-Plan="Green (RoHS & no Sb/Br)", Flash(KB)=128, GPIO=63, Mounting Technology="Surface Mount", Multiplier=32x32, PackageDescription="80-Pin Plastic Quad Flat Pack, Body 12 x 12 mm, Pitch 0.5 mm", PackageReference=PN0080A, PartNumber=MSP430F5529IPN, Real-Time Clock=Yes, SRAM(B)=8192, SubFamily="5 Series", SVS=Yes, Timers - 16-bit=4, USB=1, USCI_A (UART/LIN/IrDA/SPI)=2, USCI_B (I2C & SPI)=2, Watchdog=Yes
U4 U5: library part CMP-0326-00006-3, "ESD Protection in 0402 Package with 10 pF Capacitance and 6 V Breakdown, 1 Channel, -40 to +125 degC, 2-pin X2SON (DPY)", Breakdown Voltage(Min)(V)=6, IO Capacitance(Typ)(pF)=10, ComponentLink1Description="Manufacturer URL", ComponentLink1URL=http://www.ti.com/, ComponentLink2Description=Datasheet, ComponentLink2URL=http://www.ti.com/general/docs/lit/getliterature.tsp?genericPartNumber=TPD1E10B06&fileType=pdf, ComponentLink3Description="URL Link1", ComponentLink3URL=SamplesURL:http://www.ti.com/product/tpd1e10b06#samples, DatasheetVersion=SLLSEB1, Eco-Plan=TBD, IEC 61000-4-2 Air-Gap(+/- kV)=30, IEC 61000-4-2 Contact(+/- kV)=30, IO Leakage Current(nA)=10, Mounting Technology="Surface Mount", PackageDescription="2-Pin Plastic Small Outline No-Lead 1.0 x 0.6 x 0.4 mm Body", PackageReference=DPY0002A, PackageVersion="revA, Apr-2010", PartNumber=TPD1E10B06DPYT, SubFamily="ESD Solution"
Y1: "Crystal or Oscillator", Mouser Part Number=81-CSTCR4M00G55B-R0, Arrow Part Number=CSTCR4M00G55B-R0, Arrow Price/Stock=https://www.arrow.com/en/products/cstcr4m00g55b-r0/murata-manufacturing?utm_currency=USD&region=nac, Datasheet Link=https://www.murata.com/products/productdata/8801043513374/SPEC-CSTCR4M00G55B-R0.pdf, Manufacturer_Part_Number=CSTCR4M00G55B-R0, Mouser Price/Stock=https://www.mouser.co.uk/ProductDetail/Murata-Electronics/CSTCR4M00G55B-R0?qs=fPfMK8GXCEJpvxE6N93dow%3D%3D
Z1 Z2 Z3: "Zener Diode", Mouser Part Number=621-MMSZ5246B-F, Arrow Part Number=MMSZ5246B-7-F, Arrow Price/Stock=https://www.arrow.com/en/products/mmsz5246b-7-f/diodes-incorporated?region=europe, Datasheet Link=https://www.diodes.com//assets/Datasheets/ds18010.pdf, Height=1.45mm, Manufacturer_Part_Number=MMSZ5246B-7-F, Mouser Price/Stock=https://www.mouser.co.uk/ProductDetail/Diodes-Incorporated/MMSZ5246B-7-F?qs=YL8BMuhSknSfmeWTDXIh1Q%3D%3D

## Via types
v1: diameter 0.178, hole 0.076, Top Layer to Bottom, 52 vias
v2: diameter 0.178, hole 0.076, Top Layer to Signal, 46 vias
v3: diameter 0.178, hole 0.076, Top Layer to GND, 27 vias
v4: diameter 0.4, hole 0.1, Top Layer to GND, 14 vias
v5: diameter 0.4, hole 0.1, Top Layer to Bottom, 6 vias
v6: diameter 0.4, hole 0.1, Top Layer to Signal, 6 vias
v7: diameter 0.178, hole 0.076, Signal to Bottom, 3 vias

## Nets (pads, with @x,y where several pads share a name; then routed paths per layer and width w, separated by ;. In a path a pad name is that pad's centre, name@x,y a point inside that pad or via, vN(x,y) a via of type N, cw(c..) or ccw(c..) an arc to the next point about the centre after c; other vN are vias at no path point)
3.3V: C24.2 C27.2 C31.2 C32.2 DS3.1 DS4.1 DS5.1 J5.4 R41.1 R42.1 R43.1 R44.1 R45.1 R46.1 R47.1 R48.1 R49.1 R50.1 R51.1 U1.5 U2.11 U2.18 U2.50 | length 78.8
  Top Layer w0.2: v1(100.584,80.01) 100.588,80.006 U2.50@101.579,80.006 ; U2.11@114.829,80.006 114.846,79.989 115.754,79.989 116.114,79.629 C32.2@117.094,79.629 ; U2.18@114.829,83.506 v1(116.029,83.506) 117.248,84.725 C31.2@117.348,84.725
  Top Layer w0.3: R44.1@52.832,99.675 54.336,99.675 ccw(c54.336,99.695) v1(54.356,99.695) ; R42.1@55.152,52.07 55.152,53.247 55.922,54.017 v1(56.007,54.017) ; R43.1@60.667,52.07 60.667,53.047 v1(61.595,53.975) ; R47.1@61.57,99.675 v1(63.099,99.675) ccw(c63.099,99.695) v1@63.119,99.695 ; R45.1@66.183,52.07 66.183,53.102 v1(66.802,53.721) ; R41.1@70.309,99.675 v1(71.735,99.675) ccw(c71.735,99.695) v1@71.755,99.695 ; R46.1@71.698,52.07 71.698,53.283 v1(72.263,53.848) ; R48.1@77.214,52.07 77.214,52.957 v1(77.851,53.594) ; R49.1@82.729,52.07 82.729,52.22 83.439,52.93 v1(83.439,53.467) ; U1.5@83.215,99.121 84.135,99.121 ccw(c84.135,99.187) v1(84.201,99.187) ; v1(84.201,97.155) cw(c84.317,97.155) 84.317,97.271 C24.2@85.852,97.271 ; R50.1@88.245,52.07 88.245,53.066 v1(88.773,53.594) ; v1(93.218,53.721) 93.76,53.179 R51.1@93.76,52.07 ; v1(104.775,88.011) 105.537,88.011 108.077,90.551 J5.4@108.077,92.202
  Top Layer w0.4: C27.2@100.711,90.313 v1(102.346,90.313) ; DS4.1@112.776,53.721 v5(113.951,53.721) DS3.1@115.126,53.721 v5(116.364,53.721) DS5.1@117.602,53.721
  Bottom w4: v1(93.218,53.721) 93.726,53.213 103.378,53.213
  Bottom w5: 87.376,97.028 87.376,96.025 91.707,91.694 100.965,91.694 v1(102.346,90.313) 104.521,88.138 ; v1(104.775,88.011) 105.283,87.503 105.283,83.058
7.5k: IC1.3 Q1.4 R4.2 R6.2 R7.2 Z2.1 | length 23.3
  Top Layer w0.3: R7.2@78.705,84.194 78.718,84.206 82.53,84.206 R6.2@82.543,84.219 84.597,84.219 ; Q1.4@82.322,87.908 83.209,87.908 v1(84.074,88.773) ; IC1.3@86.627,81.661 85.725,81.661 84.597,82.789 84.597,84.219 ; R4.2@90.415,86.312 90.265,86.312 89.121,85.168 Z2.1@87.376,85.168 87.376,84.943 86.652,84.219 84.597,84.219
  Bottom w0.3: v1(84.074,84.201) v1(84.074,88.773)
8.0: R52.2 U2.15 | length 25
  Top Layer w0.2: U2.15@114.829,82.006 115.98,82.006 116.325,81.661 117.013,81.661 117.206,81.468 v2(117.394,81.468)
  Top Layer w0.4: R52.2@115.126,60.232 115.126,61.404 v6(115.824,62.103)
  Signal w0.3: v6(115.824,62.103) 115.824,62.886 117.394,64.456 v2(117.394,81.468)
8.1: R53.2 U2.16 | length 25.6
  Top Layer w0.2: U2.16@114.829,82.506 116.122,82.506 v2(116.459,82.169)
  Top Layer w0.4: R53.2@112.776,60.232 112.926,60.232 114.251,61.557 v6(114.251,62.025)
  Signal w0.3: v6(114.251,62.025) 115.27,63.044 115.27,63.115 116.782,64.627 116.782,81.846 v2(116.459,82.169)
8.2: R54.2 U2.17 | length 25.4
  Top Layer w0.2: U2.17@114.829,83.006 116.892,83.006 v2(117.221,82.677)
  Top Layer w0.4: R54.2@117.729,60.266 v6(117.729,62.23)
  Signal w0.3: v2(117.221,82.677) 117.983,81.915 117.983,64.261 117.729,64.007 v6(117.729,62.23)
Alert: IC2.25 U2.29 | length 61.1
  Top Layer w0.2: IC2.25@67.056,73.818 67.568,73.818 67.614,73.772 67.614,71.832 67.614,71.473 68.548,70.539 71.816,70.539 72.016,70.739 v2(72.898,70.739) ; v2(102.108,87.376) 102.489,87.376 102.743,87.122 102.743,85.344 104.648,83.439 108.331,83.439 108.96,84.068 108.96,86.375 U2.29@108.954,86.381
  Signal w0.2: v2(72.898,70.739) 72.898,71.12 74.095,72.317 92.39,72.317 95.079,75.006 95.079,75.069 97.768,77.758 98.91,77.758 101.346,80.193 101.346,86.995 101.727,87.376 v2(102.108,87.376)
BATT+: C1.1 D1.1 J3.2 Q2.1 Q2.2 Q2.3 R3.1 R14.1 Z1.2 | length 27.5
  Top Layer w0.3: J3.2@46.482,89.061 J3.2@46.598,89.177 ; 71.628,86.137 71.755,86.01 Z1.2@71.755,83.869 ; 73.914,86.233 73.914,84.848 74.668,84.094 R3.1@74.818,84.094
  Top Layer w0.7: D1.1@48.717,94.005 48.717,91.364 48.768,91.313 ; Q2.1@71.628,87.908 Q2.3@74.168,87.908 ; v5(83.82,91.821) C1.1@85.725,91.821
  Bottom w0.7: v5(73.025,86.487) 73.025,89.106 76.567,92.648 79.78,92.648 80.607,91.821 v5(83.82,91.821)
BATT-: R26.1 R28.1
  other v4: 57.785,59.563 60.198,59.563 59.055,59.69 60.706,59.944 57.414,60.498 59.055,60.579 59.69,61.214 57.658,61.341 56.515,61.468 57.277,62.23
CFETOFF: IC2.29 U2.6 | length 87.8
  Top Layer w0.2: IC2.29@66.976,75.822 68.048,75.822 68.563,75.306 68.563,75.074 68.707,74.93 68.707,74.52 68.068,73.881 68.068,71.661 68.736,70.993 v2(71.597,70.993) ; U2.6@114.829,77.506 115.915,77.506 v2(115.951,77.47)
  Signal w0.2: 71.597,71.247 v2(71.597,70.993) 71.597,56.546 73.429,54.714 106.156,54.714 116.278,64.836 116.278,76.92 115.951,77.247 v2(115.951,77.47)
CS: J5.2 U2.39 | length 6.6
  Top Layer w0.2: U2.39@103.954,86.381 103.959,86.386 103.959,88.324 105.877,90.242 J5.2@105.877,92.202
D_N: R33.2 U2.64 | length 8.3
  Top Layer w0.2: U2.64@104.954,73.131 104.954,71.673 104.609,71.328 104.609,69.314 105.167,68.756 105.167,66.956 105.284,66.839 106.33,66.839 R33.2@106.68,66.489
D_P: R34.2 U2.62 | length 8.2
  Top Layer w0.2: R34.2@103.251,66.489 103.601,66.839 104.647,66.839 104.764,66.956 104.764,68.589 104.206,69.147 104.206,71.301 103.94,71.567 103.94,73.117 U2.62@103.954,73.131